# KiCad board AmigaPCI Mainboard.kicad_pcb (continued)
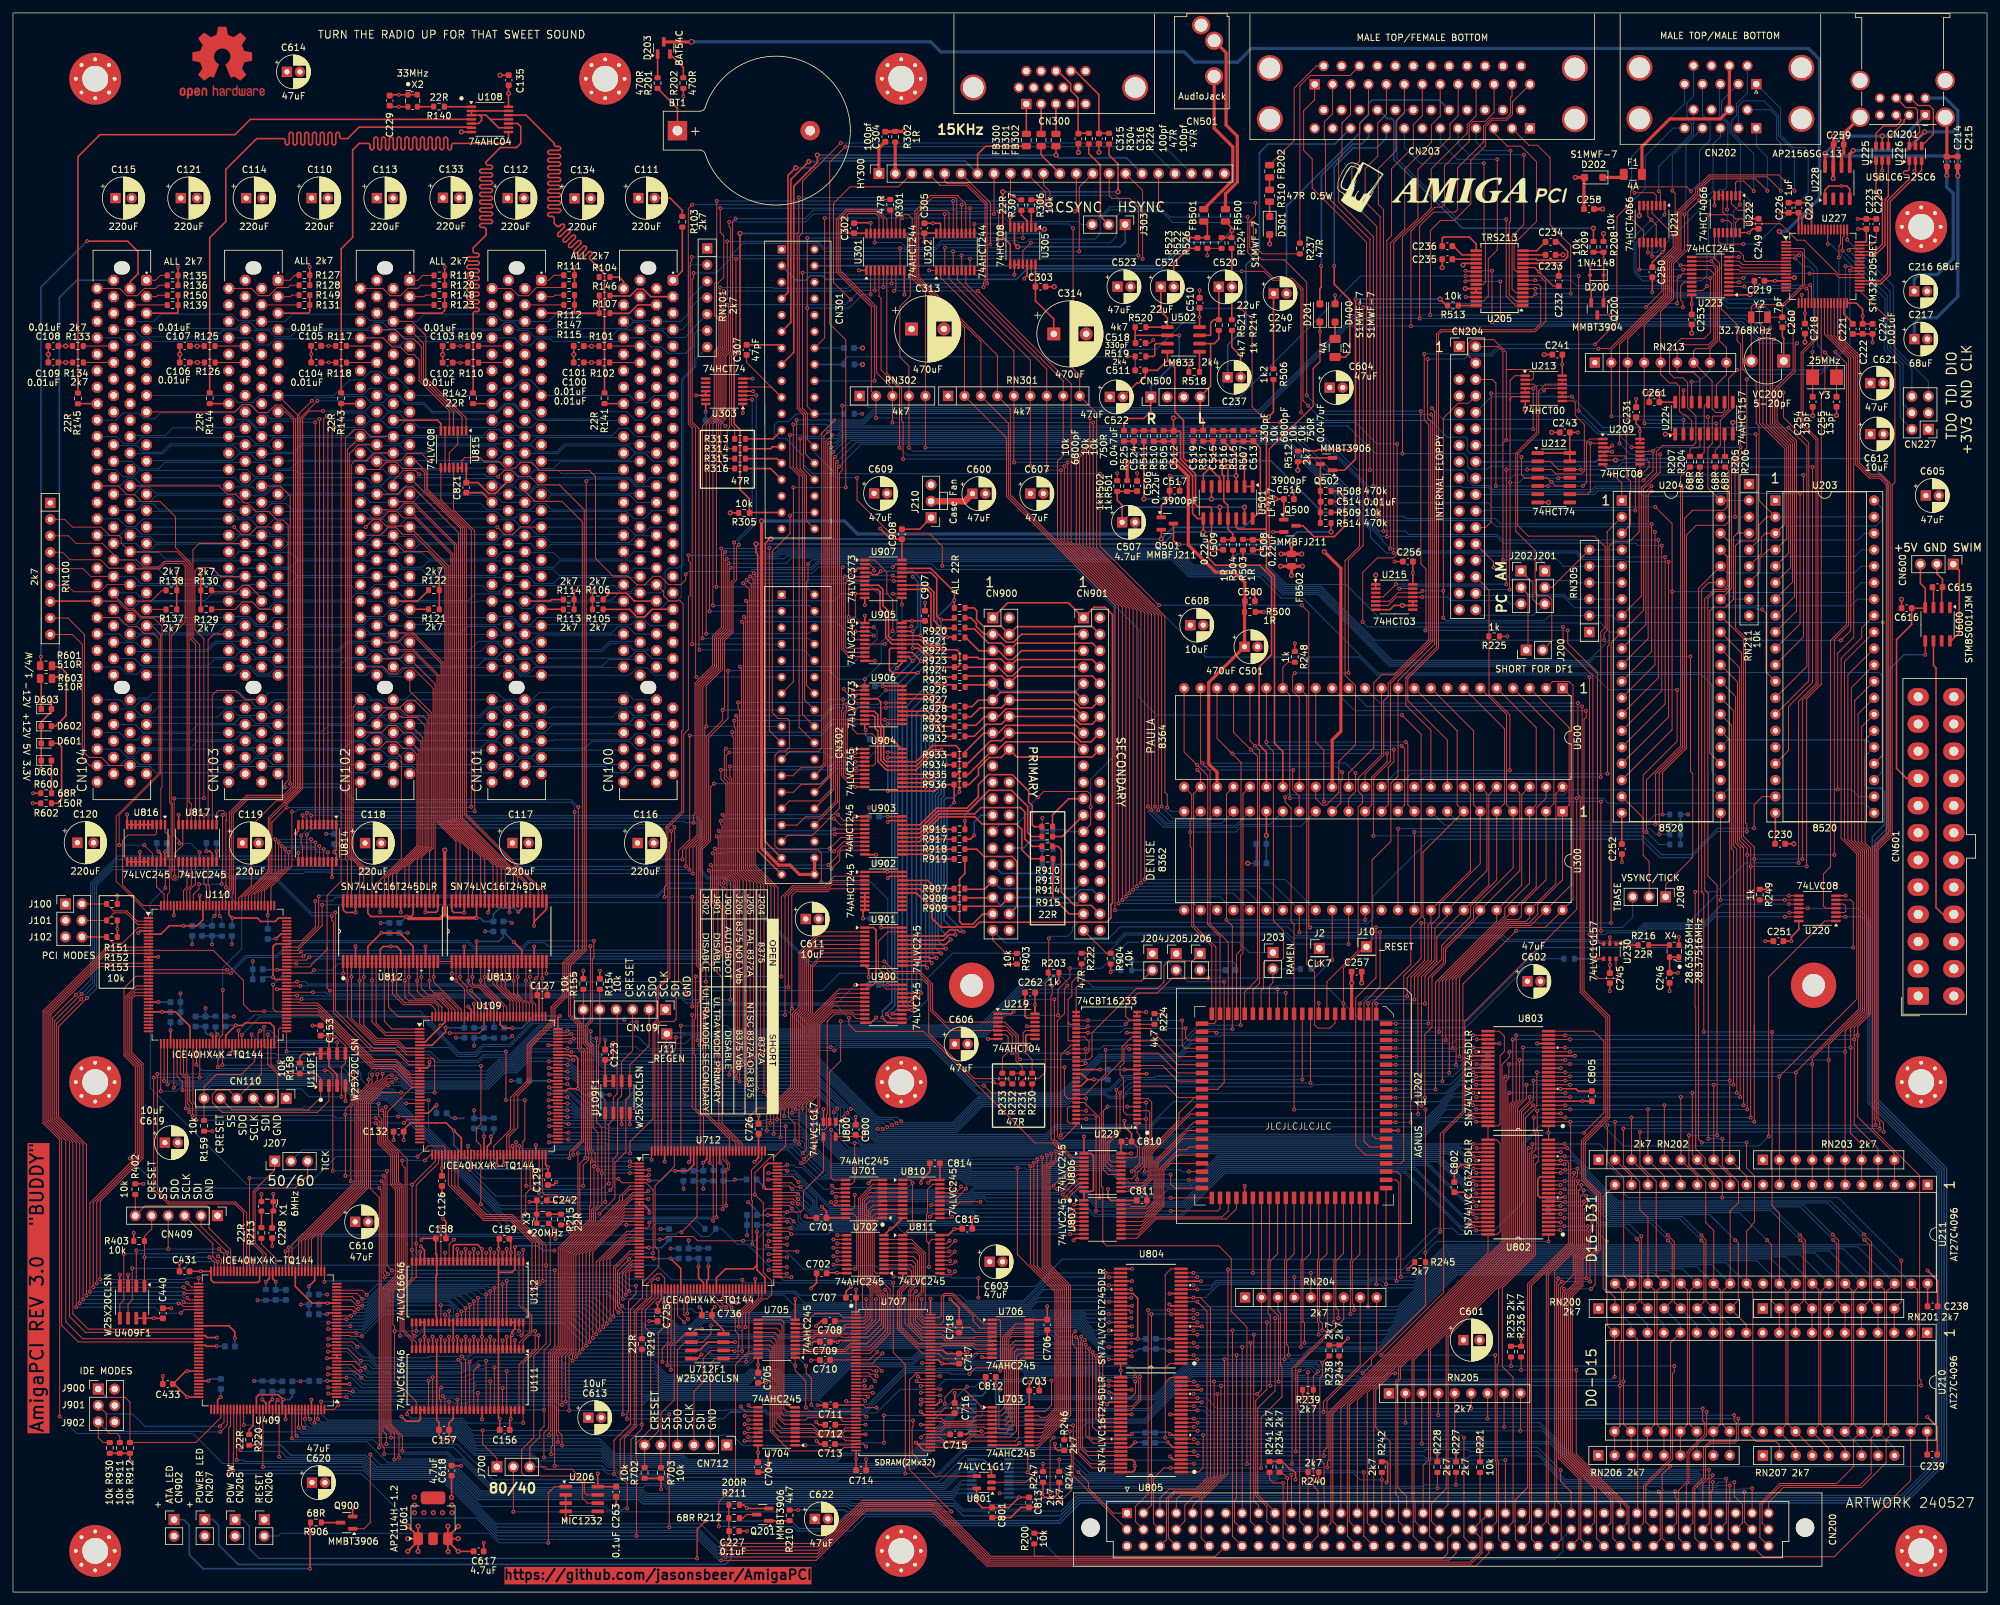
[diagram p0: board, top side]
## Routing (per net, layer and track width the routed paths; a pad name or vN(x,y) marks a point on that pad's centre or on a via; arc(x,y) is an arc through that point) (continued)
/Agnus Multiadapter/CCKQ_7MHz: length 11.6
  Top w0.15: U229.21 176.12,85.12 179.81,81.43 U202.38
/Agnus Multiadapter/CDAC_XCLKEN: length 23.5
  Top w0.15: v1(180.53,88.27) 180.53,84.38 180.94,83.97 U202.36 ; U229.31 165.97,88.29 v1(165.98,88.28)
  Bottom w0.15: v1(165.98,88.28) 180.52,88.28 v1(180.53,88.27)
/Agnus Multiadapter/DRA8: length 14.5
  Top w0.15: U229.19 172.33,83.85 v1(172.32,83.85) ; U229.49 165.58,76.86 168.71,80 v1(168.71,83.75)
  Bottom w0.15: v1(172.32,83.85) 169.81,83.85 169.71,83.75 v1(168.71,83.75)
/Agnus Multiadapter/DRA9: length 14.7
  Top w0.15: U229.3 171.97,73.69 171.45,74.2 171.45,79.39 170.94,79.91 170.94,81.08 171.55,81.69 171.55,83.86 172.16,84.48 U229.20
/Agnus Multiadapter/DRA9_CASU: length 38.7
  Top w0.15: U202.55 186.37,59.18 186.04,58.85 v1(178.76,58.85) ; U229.54 166.9,73.69 167.23,73.36 v1(167.23,58.85)
  Bottom w0.15: v1(167.23,58.85) v1(178.76,58.85)
/Agnus Multiadapter/LDS_DRA8: length 22.8
  Top w0.15: U202.51 v1(181.57,64.92) ; v1(174.74,64.92) 174.74,65.46 174.97,65.69 174.97,68.22 175.82,69.07 175.82,75.66 175.26,76.23 U229.7
  Bottom w0.15: v1(174.74,64.92) 175.3,64.92 175.58,65.2 180.19,65.2 180.47,64.92 v1(181.57,64.92)
/Agnus Multiadapter/UDS_LDS: length 23.3
  Top w0.15: U202.52 v1(181.55,63.65) ; U229.4 175.28,74.32 175.52,74.08 175.52,69.2 174.67,68.34 174.67,65.83 173.58,64.74 v1(173.58,63.7)
  Bottom w0.15: v1(181.55,63.65) 173.63,63.65 v1(173.58,63.7)
/Agnus Multiadapter/VBB_CCK: length 11
  Top w0.15: U202.40 179.91,78.89 177.49,81.31 U229.15
/Audio/AUDLEFT: length 65.2
  Top w0.25: C513.2 192.71,179.31 193.54,178.48 193.54,164.11 ; 193.54,164.11 193.5,164.14 189.17,164.14 188.87,164.44 U501.12 ; 193.54,164.11 193.54,158.15 194.78,156.91 194.78,131.07 196.07,129.78 U500.31 ; 189.98,179.35 191.46,179.35
/Audio/AUDRIGHT: length 92.8
  Top w0.25: 179.18,179.34 179.18,181.3 v2(179.17,181.31) ; U500.30 193.53,129.69 192.4,130.82 192.4,142.82 194.33,144.75 194.33,156.72 192.5,158.55 185.68,158.55 184.57,159.66 184.57,162.15 185.06,162.64 U501.9 185.06,167.32 184.82,167.56 183,167.56 182.59,167.97 182.59,172.62 180.28,174.93 180.28,179.11 180.09,179.3 C512.2 ; v2(193.86,181.46) 194.62,182.22 R506.2 ; R505.2 179.17,179.35
  Bottom w0.25: v2(193.86,181.46) 193.71,181.31 v2(179.17,181.31)
/Chip Memory/LDB0: length 28.8
  Top w0.15: 130.14,27.87 U704.9 119.46,27.87 119.03,28.29 119.03,41.69 118.68,42.05 U705.11
/Chip Memory/LDB1: length 29.1
  Top w0.15: U705.12 118.53,41.39 118.73,41.19 118.73,27.52 119.03,27.21 U704.8 127.68,27.21 128.04,26.85 U707.33
/Chip Memory/LDB2: length 29.1
  Top w0.15: U707.34 128.12,26.35 127.55,26.91 122.75,26.91 122.41,26.56 U704.7 118.94,26.56 118.43,27.08 118.43,40.26 117.94,40.75 U705.13
/Chip Memory/LDB3: length 29
  Top w0.15: U707.36 128.53,25.35 128.04,24.86 124.4,24.86 123.34,25.91 U704.6 119.15,25.91 118.13,26.93 118.13,39.55 117.59,40.09 U705.14
/Chip Memory/LDB4: length 28.8
  Top w0.15: U705.15 117.24,39.44 117.83,38.85 117.83,26.17 118.74,25.26 U704.5 123.57,25.26 124.28,24.56 128.16,24.56 128.45,24.85 U707.37
/Chip Memory/LDB5: length 28.7
  Top w0.15: U707.39 128.48,23.85 128.07,24.26 124.15,24.26 123.8,24.62 118.53,24.62 117.53,25.61 117.53,38.24 116.97,38.8 U705.16
/Chip Memory/LDB6: length 28.8
  Top w0.15: 120.78,23.96 127.95,23.96 128.56,23.35 U707.40 ; U705.17 116.88,38.14 117.23,37.79 117.23,24.94 118.21,23.96 U704.3
/Chip Memory/LDB7: length 31.9
  Top w0.15: U707.42 128.32,22.35 127.76,21.79 119.96,21.79 118.07,23.68 ; 118.07,23.68 118.43,23.31 U704.2 ; 118.07,23.68 116.91,24.84 116.91,37.17 116.59,37.5 U705.18
/Chip Memory/LDB8: length 27.3
  Top w0.15: U707.56 143.23,27.85 143.8,28.42 147.82,28.42 148.38,27.87 U703.2 152.42,27.87 153.08,28.52 153.08,39.23 154.6,40.75 U706.18
/Chip Memory/LDB9: length 27.7
  Top w0.15: U706.17 154.37,40.09 153.38,39.1 153.38,27.98 152.62,27.21 U703.3 148.76,27.21 147.91,26.36 143.84,26.36 143.35,26.85 U707.54
/Chip Memory/LDB10: length 27.9
  Top w0.15: U706.16 154.19,39.44 153.68,38.94 153.68,27.05 153.19,26.56 U703.4 148.54,26.56 148.03,26.06 143.72,26.06 143.43,26.35 U707.53
/Chip Memory/LDB11: length 27.6
  Top w0.15: U707.51 143.4,25.35 143.81,25.76 148.16,25.76 148.31,25.91 U703.5 153.38,25.91 153.98,26.51 153.98,38.06 154.71,38.8 U706.15
/Chip Memory/LDB12: length 27.8
  Top w0.15: U706.14 154.71,38.14 154.28,37.71 154.28,25.94 153.6,25.26 U703.6 150.1,25.26 149.9,25.46 143.93,25.46 143.32,24.85 U707.50
/Chip Memory/LDB13: length 27.9
  Top w0.15: U707.48 143.18,23.85 143.69,23.34 146.96,23.34 147.88,24.26 149.78,24.26 150.13,24.62 153.38,24.62 154.65,25.89 154.65,37.05 154.64,37.06 155.07,37.5 U706.13
/Chip Memory/LDB14: length 27.9
  Top w0.15: 156.91,36.84 155.38,36.84 154.95,36.42 154.95,24.87 154.05,23.96 U703.8 148.01,23.96 147.08,23.04 143.57,23.04 143.26,23.35 U707.47
/Chip Memory/LDB15: length 27.9
  Top w0.15: U707.45 146.92,22.35 147.89,23.32 147.89,23.31 U703.9 154.77,23.31 155.25,23.79 155.25,35.56 155.88,36.19 U706.11
/Clocks and PCI Buffers/CLK28: length 3.5
  Top w0.25: R216.1 249.57,99.9 249.36,100.11 U230.1
/Clocks and PCI Buffers/CLK33: length 4.2
  Top w0.25: U108.1 66.58,229.36
/CPU/U712_CRESET: length 40.8
  Top w0.15: v1(100.5,44.7) 100.5,40.93 99.64,40.06 99.64,24.82 CN712.6 ; R702.2 97.53,22.49 ; v1(112.97,45.32) 113.12,45.47 U712.66
  Bottom w0.15: v1(100.5,44.7) 109.78,44.7 110.41,45.32 v1(112.97,45.32)
/CPU/U712_SCK: length 31.4
  Top w0.15: v1(111.42,37.2) 111.31,37.31 U712F1.6 107.79,37.31 106.57,36.1 106.57,32.43 105.13,30.99 105.13,22.5 ; U712.70 115.12,45.42 112.58,42.88 v1(112.58,37.2)
  Bottom w0.15: v1(111.42,37.2) v1(112.58,37.2)
/CPU/U712_SDI: length 29
  Top w0.15: 107.68,22.5 107.68,35.27 108.45,36.05 U712F1.5 111.57,36.05 111.94,36.41 111.94,37.89 112.06,38 112.06,39.78 111.53,40.31 111.53,42.68 113.62,44.77 U712.67
/CPU/U712_SDO: length 33.4
  Top w0.15: v1(107.77,41.14) 107.77,39.83 106.53,38.58 U712F1.2 103.78,38.58 102.59,37.4 102.59,22.5 ; U712.68 114.12,44.84 112.06,42.78 v1(112.06,40.97)
  Bottom w0.15: v1(107.77,41.14) 109.61,41.14 109.78,40.97 v1(112.06,40.97)
/CPU/U712_SS: length 39
  Top w0.15: U712.71 115.62,45.49 113.1,42.98 v1(113.1,40.92) ; v1(106.41,40.6) 105.5,40.6 U712F1.1 103.78,39.85 102.1,38.18 102.1,29.68 100.06,27.63 100.06,22.5 ; R703.2 100.05,22.5
  Bottom w0.15: v1(106.41,40.6) 106.63,40.38 112.56,40.38 v1(113.1,40.92)
/Floppy and Parallel/_CHNG: length 14.3
  Top w0.15: J201.2 237.6,155.13 243.4,160.94
  Bottom w0.15: 243.4,160.94 248.4,160.94
/Floppy and Parallel/_DCHNG: length 44.5
  Top w0.15: CN204.2 229.28,192.32 230.05,191.55 v1(230.05,159.38)
  Bottom w0.15: J201.1 236.52,158.67 235.82,159.38 v1(230.05,159.38)
/Floppy and Parallel/_DF1: length 47.7
  Top w0.15: J200.2 237.6,146.86 237.6,153.27 237,153.88 235.48,153.88 235.02,154.32 235.02,160.82 232.02,163.82 232.02,175.85 235.27,179.1 235.27,186.09 234.84,186.52 233.49,186.52
/Floppy and Parallel/_DKWDB: length 32.2
  Top w0.15: U209.8 251.21,172.84 250.5,172.12 v1(250.5,167.01)
  Bottom w0.15: v1(250.5,167.01) 250.47,167.04 227.31,167.04 227.18,166.92 CN204.22
/Floppy and Parallel/_DKWEB: length 33.9
  Top w0.15: v1(228.22,185.1) 228.22,165.22 227.38,164.38 CN204.24 ; U213.11 236.73,185.88 v1(236.4,185.55)
  Bottom w0.15: v1(236.4,185.55) 235.95,185.1 228.23,185.1 v1(228.22,185.1)
/Floppy and Parallel/_DRDY: length 19
  Top w0.15: J202.1 234.68,155.85 234.68,153.3 235.38,152.59 236.52,152.59
  Bottom w0.15: CN204.34 226.7,150.83 234.76,150.83 236.52,152.59
/Floppy and Parallel/_INUSE0: length 44
  Top w0.15: U209.1 243.46,178.05 242.95,177.54 242.95,171.35 v1(242.4,170.8) ; v1(228.98,170.8) 228.98,186.67 228.41,187.24 CN204.6 ; v1(237.02,170.8) 237.02,170.79 U212.5
  Bottom w0.15: v1(242.4,170.8) v1(237.02,170.8) v1(228.98,170.8)
/Floppy and Parallel/_INUSE1: length 61.5
  Top w0.15: 230.57,188.77 230.57,177.88 v1(230.57,177.88) ; 230.57,188.77 230.57,191.45 228.63,193.39 225.35,193.39 224.77,192.82 224.77,190.85 CN204.4 ; 230.57,188.77 234.27,188.77 234.75,188.3 234.75,187.4 234.52,187.17 U213.2 ; 240.38,169.52 243.15,169.52 243.55,169.92 v1(243.55,177.4) U209.2
  Bottom w0.15: v1(243.55,177.4) 243.25,177.4 242.77,177.88 v1(230.57,177.88) 229.78,177.08 CN204.14
/Floppy and Parallel/_IORST: length 53.9
  Top w0.15: v1(157.17,208.35) 155.93,207.11 U305.11 ; v1(191.52,211.49) 191.52,208 192.88,206.64 R237.1
  Bottom w0.15: v1(191.52,211.49) 179.05,211.49 177.41,213.12 171.05,213.12 170.32,212.4 170.32,209.25 169.42,208.35 v1(157.17,208.35)
/Floppy and Parallel/_MOTOR: length 23.7
  Top w0.25: v1(246.93,177.05) 246.63,176.75 U209.3
  Bottom w0.25: CN204.16 244.42,174.54 v1(246.93,177.05)
/Floppy and Parallel/_PCRDY: length 23.4
  Top w0.15: U215.6 212.32,152.35 213.62,153.65 U215.11 v1(217.6,153.65)
  Bottom w0.15: v1(217.6,153.65) 221.44,153.65 221.99,153.09 230.62,153.09 231.12,152.59 232.85,152.59
/Floppy and Parallel/_RDY: length 26.2
  Top w0.15: J202.2 233.93,154.06 233.93,145.72
  Bottom w0.15: J202.2 233.98,154.01 239.54,154.01 240.23,153.31 RN305.3 248.4,153.31
/Floppy and Parallel/_TRK0: length 25.5
  Top w0.15: v1(228.6,158.22) 228.6,159.09 CN204.26
  Bottom w0.15: RN305.4 241.44,155.85 241.09,156.21 231.38,156.21 229.36,158.22 v1(228.6,158.22) ; U204.6 243.4,155.86
/Floppy and Parallel/_WPROT: length 23.5
  Bottom w0.15: 248.4,158.39 RN305.5 239.45,158.39 237.85,160 226.55,160 CN204.28
/Floppy and Parallel/INIT: length 34.8
  Top w0.15: CN203.16 206.43,234.18 200.3,234.18 198.7,232.59 198.7,209.84 198.7,209.84 R237.2
/Floppy and Parallel/LINEFEED: length 19.4
  Top w0.15: CN203.14 201.24,235.66 197.82,232.23 197.82,224.13 FB202.2
/Floppy and Parallel/SEL0: length 64.5
  Top w0.15: U215.4 211.56,153.65 v1(213.55,155.64) ; 239.21,183.92 240.98,183.92 241.23,183.67 241.23,181.67 242.62,180.27 242.62,173.11 242.19,172.67 238.2,172.67 237.54,173.33 U212.3 v1(233.8,173.33) ; v1(230.55,155.6) 230.57,155.62 v1(230.57,173.32)
  Bottom w0.15: v1(230.55,155.6) 230.5,155.64 v1(213.55,155.64) ; v1(230.57,173.32) 230.69,173.33 v1(233.8,173.33)
/Floppy and Parallel/SEL1: length 66.7
  Top w0.15: v1(238.6,171.97) 238.69,172.06 U212.11 ; U213.6 231.52,184.57 231.15,184.2 231.15,184.02 ; v1(214.05,154.95) U215.13 ; 231.15,184.02 231.15,187.07 231.9,187.82 U213.1 ; 231.15,184.02 231.15,160.32 231.07,160.25 v1(231.07,154.8)
  Bottom w0.15: v1(231.15,171.32) 232.55,171.32 233.2,171.97 v1(238.6,171.97) ; v1(231.07,154.8) 227.25,154.8 226.7,155.34 214.44,155.34 v1(214.05,154.95)
/Floppy and Parallel/TICK: length 367.2
  Top w0.15: v1(95.27,67.75) 95.27,69.54 98.82,73.09 98.82,87.74 99.34,88.26 99.34,93.23 101.13,95.03 101.13,118.03 103.56,120.46 103.56,132.47 104.29,133.2 104.29,153.62 104.57,153.91 104.57,159 104.29,159.29 v1(104.29,160.08) ; J208.1 255.17,109.26 259.36,113.45 259.36,126.37 259.01,126.72 v1(259.01,144.47) ; v1(87.22,67.76) 87.22,56.93 v1(85.94,55.64)
  Bottom w0.15: v1(259.01,144.47) 244.35,144.47 243.45,143.57 212.82,143.57 201.71,154.68 196.25,154.68 193.25,157.67 181.9,157.67 179.28,160.3 118.51,160.3 118.07,159.85 115.19,159.85 114.97,160.08 v1(104.29,160.08) ; v1(95.27,67.75) 95.26,67.76 v1(87.22,67.76) ; v1(85.94,55.64) 84.43,55.64 83.87,56.21 77.03,56.21 64.96,68.28 44.7,68.28 J207.2
/HID and User Ports/_Back: length 9
  Top w0.15: U227.9 266.88,204.47 266.49,204.85 U223.8
/HID and User Ports/_Back0: length 38.7
  Top w0.15: U222.4 v1(264.67,213.5) ; RN213.8 262.02,191.97 263.2,193.15 263.2,204.52 v1(262.22,205.5) U223.12 ; v1(259.18,186.9) 259.19,185.46 U224.14
  Bottom w0.15: RN213.8 262.02,188.6 260.32,186.9 v1(259.18,186.9) ; v1(264.67,213.5) 264.67,207.96 v1(262.22,205.5)
/HID and User Ports/_Fire: length 15.6
  Top w0.15: v1(266.52,202.26) 266.51,202.25 U223.4 ; v1(277.5,201.8) 277.7,201.6 U227.21
  Bottom w0.15: v1(277.5,201.8) 277.48,201.82 276.3,201.82 276.26,201.78 269.37,201.78 268.89,202.26 v1(266.52,202.26)
/HID and User Ports/_Forward: length 9.1
  Top w0.15: U223.9 266.5,205.5 267.04,204.97 U227.8
/HID and User Ports/_Forward0: length 31.3
  Top w0.15: U222.8 262.72,205.97 262.83,205.86 ; U223.11 262.54,206.15 262.83,205.86 ; 262.83,205.86 263.5,205.19 263.5,193.2 264.53,192.17 264.56,192.17 RN213.9 264.56,187.96 263,186.4 U224.11
/HID and User Ports/_HIDEN: length 76
  Top w0.15: 264.37,212.68 265.35,212.68 265.97,212.05 266.52,212.05 ; 264.37,212.68 264.02,213.03 264.02,215.7 263.37,215.7 ; 264.37,212.68 v1(261.78,212.68) ; U222.13 265.97,211.5 266.52,212.05 ; U223.19 260.86,200.95 v1(261.55,201.65) ; U227.38 281.87,203.47 276.6,208.75 275.45,208.75 272.9,211.3 267.72,211.3 266.97,212.05 266.52,212.05 ; 254.37,208.45 253.72,208.45 253.72,211.15 v1(252.96,211.91) 252.42,212.45 252.42,214.17 251.77,214.17
  Bottom w0.15: v1(252.96,211.91) 250.3,209.26 250.3,203.78 251.62,202.46 260.71,202.46 261.55,203.3 ; 261.55,203.3 v1(261.55,201.65) ; 261.55,203.3 261.55,207.85 261.78,208.08 v1(261.78,212.68)
/HID and User Ports/_Left: length 8.9
  Top w0.15: U223.7 266.48,204.2 266.71,203.97 U227.10
/HID and User Ports/_Left0: length 42.1
  Top w0.15: v1(257.48,204.85) 257.28,204.85 U223.13 262.44,204.85 262.9,204.4 262.9,193.27 261.64,192.01 259.86,192.01 259.84,192.02 259.48,191.66 RN213.7 262.35,186.98 262.35,182.7 262.9,182.15 264,182.15 264.27,182.42 U224.10 ; v1(253.07,206.28) U221.11
  Bottom w0.15: v1(253.07,206.28) 256.05,206.28 v1(257.48,204.85)
/HID and User Ports/_Right: length 8.9
  Top w0.15: U227.11 268.96,203.47 268.88,203.56 U223.6
/HID and User Ports/_Right0: length 43.5
  Top w0.15: v1(251.13,204.22) 251.12,204.22 U221.8 ; v1(257.89,204.2) 257.72,204.2 U223.14 262,204.2 262.6,203.6 262.6,193.39 261.81,192.6 257.88,192.6 256.94,191.66 RN213.6 256.94,188.58 257.15,188.37 259.45,188.37 260.46,187.36 U224.13
  Bottom w0.15: v1(257.89,204.2) v1(251.13,204.22)
/HID and User Ports/B0: length 26.6
  Top w0.15: v1(268.2,213.94) 267.61,213.36 266.37,213.36 265.32,214.41 U222.3
  Bottom w0.15: CN202.2 263.8,230.26 263.8,227.99 265.08,226.72 265.08,225.37 266.7,223.75 266.7,216.38 268.2,214.88 v1(268.2,213.94)
/HID and User Ports/B1: length 98.9
  Top w0.15: v1(261.7,181.45) 261.73,181.42 U224.5 ; v1(275.08,216.38) 272.63,218.83 261.91,218.83 259.82,216.74 259.82,216.05 256.94,213.17 256.94,207.38 255.19,205.63 255.19,200.22 246.78,191.81 RN213.2 246.78,181.59 v1(246.8,181.57)
  Bottom w0.15: CN202.11 266.4,229.45 267.23,230.28 270.33,230.28 272.62,227.99 272.62,224.87 275.08,222.41 v1(275.08,216.38) ; v1(261.7,181.45) 261.57,181.57 v1(246.8,181.57)
/HID and User Ports/DIO: length 28.4
  Top w0.15: U227.46 283.68,207.47 v1(283.43,207.22)
  Bottom w0.15: v1(283.43,207.22) 289.83,200.81 289.83,192.21 293.2,188.84 CN227.6
/HID and User Ports/F1: length 73.2
  Top w0.15: U224.2 257.92,180.99 v1(257.93,181) ; v1(249.32,181) 249.32,181 RN213.3 249.32,193.5 255.79,199.97 255.79,205.38 257.54,207.13 257.54,212.92 260.42,215.8 260.42,216.49 262.16,218.23 269.04,218.23 v1(270.89,216.38)
  Bottom w0.15: v1(270.89,216.38) 270.88,216.4 270.88,221.58 269.17,223.28 CN202.10 ; v1(257.93,181) v1(249.32,181)
/HID and User Ports/FIR0: length 27.3
  Top w0.15: U222.2 265.97,217.61 266.24,217.88 267.23,217.88 v1(268.78,216.33)
  Bottom w0.15: CN202.6 267.79,231.47 266.1,229.79 266.1,227.96 265.38,227.24 265.38,225.53 268.78,222.13 268.78,216.34 v1(268.78,216.33)
/HID and User Ports/FOR0: length 39.8
  Top w0.15: U222.9 263.37,208.48 263.7,208.15 v1(267.18,208.15)
  Bottom w0.15: v1(267.18,208.15) 269.29,208.15 277.19,216.05 277.19,222.48 276.58,223.09 274.83,223.09 272.92,224.99 272.92,229.11 CN202.1
/HID and User Ports/HSCLKIN: length 26.7
  Top w0.15: v1(279.76,191.42) 281.56,189.62 Y3.1 C255.1 ; v1(275.77,206.44) 275.75,206.47 U227.5
  Bottom w0.15: v1(275.77,206.44) 276.5,206.44 278.6,204.35 278.6,192.58 v1(279.76,191.42)
/HID and User Ports/HSCLKOUT: length 24.6
  Top w0.15: U227.6 275.15,205.97 v1(275.18,205.94) ; C254.1 277.88,187.57 ; Y3.2 v1(277.86,191.49)
  Bottom w0.15: v1(277.86,191.49) 277.86,192.23 278.02,192.4 278.02,204.02 277.35,204.7 276.42,204.7 v1(275.18,205.94)
/HID and User Ports/L0: length 34.3
  Top w0.15: U221.10 252.42,206.86 v1(252.43,206.86)
  Bottom w0.15: 263.5,232.73 263.5,227.87 264.78,226.59 264.78,223.16 264.6,222.99 264.6,216.87 264.26,216.54 263.5,216.54 253.82,206.86 v1(252.43,206.86)
/HID and User Ports/L1: length 54.3
  Top w0.15: U224.3 259.19,180.85 258.25,181.79 257.88,181.79 257.3,182.37 257.3,186.18 256.79,186.69 256.79,186.69 255.78,186.69 254.4,188.07 RN213.5 254.4,197.73 256.39,199.72 256.39,205.13 258.6,207.34 258.6,213.16 v1(260.38,214.93)
  Bottom w0.15: CN202.12 263.63,224.72 262.46,223.55 262.5,223.5 262.5,216.38 261.06,214.93 v1(260.38,214.93)
/HID and User Ports/LSCLKIN: length 17
  Top w0.15: C260.1 273.2,198.35 276.6,201.75 276.6,207.25 276.38,207.47 U227.3 ; Y2.1 273.19,196.86
/HID and User Ports/LSCLKOUT: length 25.2
  Top w0.15: 268.39,190.11 Y2.2 268.39,198.44 268.75,198.8 273.23,198.8 276.3,201.87 276.3,206.8 276.13,206.97 U227.4
/HID and User Ports/MH0: length 8.9
  Top w0.15: R204.1 261.13,176.04 261.13,183.15 U224.12
/HID and User Ports/MH1: length 3.3
  Top w0.15: U224.7 264.27,175.46
/HID and User Ports/MV0: length 9.5
  Top w0.15: R205.1 262.84,176.32 263.62,177.1 263.62,180.92 265.54,182.84 U224.9
/HID and User Ports/MV1: length 4.7
  Top w0.15: R207.1 258.94,176.42 259.21,176.69 260.26,176.69 260.46,176.89 U224.4
/HID and User Ports/PotX: length 14.5
  Top w0.15: v1(276.9,201.3) 277.2,201 U227.20 ; v1(267.32,201.61) 267.31,201.6 U223.3
  Bottom w0.15: v1(267.32,201.61) 267.63,201.3 v1(276.9,201.3)
/HID and User Ports/PotY: length 20.8
  Top w0.15: U223.5 267.19,202.9 v1(267.19,202.91) ; U227.37 281.95,202.97 281.32,203.6 v1(277.4,203.6)
  Bottom w0.15: v1(277.4,203.6) 277.36,203.64 267.93,203.64 v1(267.19,202.91)
/HID and User Ports/PX0: length 25.4
  Top w0.15: v1(250.37,216.08) 253.31,216.08 253.72,215.67 U221.3
  Bottom w0.15: CN202.5 258.09,229.83 249.91,221.65 249.91,216.53 v1(250.37,216.08)
/HID and User Ports/PY0: length 24.5
  Top w0.15: U221.2 254.37,216.06 v1(254.1,216.33)
  Bottom w0.15: CN202.9 259.48,230.96 258.45,229.94 258.45,227.4 259.17,226.68 259.17,225.21 254.11,220.15 254.11,217.64 254.1,217.63 v1(254.1,216.33)
/HID and User Ports/R0: length 36.9
  Top w0.15: v1(259.11,216.33) 258.45,216.98 250.46,216.98 249.76,216.28 249.76,212.19 251.77,210.17 U221.9
  Bottom w0.15: CN202.4 260.86,228.06 262.03,226.9 262.03,224.21 260.4,222.58 260.4,217.64 259.11,216.34 v1(259.11,216.33)
/HID and User Ports/R1: length 62.1
  Top w0.15: v1(251.9,180.45) 251.86,180.49 RN213.4 251.86,195.62 256.09,199.84 256.09,205.25 258.07,207.24 v1(258.07,212.72) ; U224.6 v1(263,180.45)
  Bottom w0.15: CN202.13 258.31,223.5 258.31,212.95 v1(258.07,212.72) ; v1(263,180.45) v1(251.9,180.45)
/HID and User Ports/SWCLK: length 31
  Top w0.15: v1(283.2,208.81) U227.49
  Bottom w0.15: CN227.5 295.74,186.94 290.33,192.35 290.33,201.68 v1(283.2,208.81)
/HID and User Ports/TDI: length 32.8
  Top w0.15: U227.50 282.7,209.34 282.48,209.11 v1(282.48,207.15)
  Bottom w0.15: CN227.4 291.82,183.47 291.83,183.47 291.83,189.58 289.38,192.03 289.38,200.24 v1(282.48,207.15)
/HID and User Ports/TDO: length 36.6
  Top w0.15: v1(280.21,208.13) 280.2,208.14 U227.55
  Bottom w0.15: CN227.2 291.37,181.38 291.37,189.4 288.93,191.84 288.93,195.85 289.05,195.97 289.05,199.72 280.64,208.13 v1(280.21,208.13)
/HID and User Ports/USB1+: length 17.8
  Top w0.2: U227.45 287.48,206.97 288.64,208.13 288.64,215.2 287.66,216.18 287.66,217.83 arc(287.73,217.99) 287.88,218.06 arc(288.04,218.12) 288.11,218.28 288.11,218.48 arc(288.04,218.64) 287.88,218.71 arc(287.73,218.77) 287.66,218.93 U225.1
/HID and User Ports/USB1-: length 17.8
  Top w0.2: U227.44 287.55,206.47 289.04,207.96 289.04,215.03 289.56,215.55 U225.3
/HID and User Ports/USB1A+: length 7.9
  Top w0.2: CN201.3 291.54,227.3 291.54,227.18 290.74,226.37 288.77,226.37 287.66,225.26 U225.6
/HID and User Ports/USB1A-: length 6.1
  Top w0.2: U225.4 289.56,224.56 291.99,226.99 291.99,227.3 CN201.2
/HID and User Ports/USB2+: length 24.9
  Top w0.2: U227.36 288.3,202.47 289.44,203.61 289.44,214.87 292.8,218.22 292.8,218.57 arc(292.71,218.78) 292.5,218.87 292.18,218.87 arc(291.96,218.96) 291.88,219.17 arc(291.96,219.38) 292.18,219.47 292.5,219.47 arc(292.71,219.56) 292.8,219.77 U226.1
/HID and User Ports/USB2-: length 24.9
  Top w0.2: U226.3 294.7,219.56 289.84,214.7 289.84,203.44 288.37,201.97 U227.35
/HID and User Ports/USB2A+: length 10.8
  Top w0.2: CN201.7 292.24,229.22 293.69,229.22 294.05,228.86 294.05,226.61 294.39,226.27 294.39,225.42 293.79,224.82 293.08,224.82 292.8,224.54 U226.6
/HID and User Ports/USB2A-: length 10.7
  Top w0.2: U226.4 296.51,225.11 296.51,228.93 295.89,229.55 294.12,229.55 292.97,230.7
/IDE Interface/_ACTA: length 134.3
  Top w0.15: CN900.39 151.28,100.66 153.33,98.61 R903.1 ; v1(273.58,104.28) U220.13
  Bottom w0.15: CN900.39 153.2,100.25 170.16,100.25 171.67,101.77 196.72,101.77 197.49,101 229.77,101 230.29,100.48 244.33,100.48 244.62,100.19 250.06,100.19 252.28,102.4 260.9,102.4 262.78,104.28 v1(273.58,104.28)
/IDE Interface/_ACTB: length 120
  Top w0.15: CN901.39 168.81,98.64 R904.1 ; U220.12 v1(274.27,104.93)
  Bottom w0.15: CN901.39 166.4,101.05 169.3,101.05 170.94,102.7 196.85,102.7 198.21,101.34 228.78,101.34 230.24,101.34 230.8,100.78 244.82,100.78 245.07,100.52 249.97,100.52 252.15,102.7 260.78,102.7 263.01,104.93 v1(274.27,104.93)
/IDE Interface/_ACTIVITY: length 362
  Top w0.15: Q900.1 54.2,9.77 55.17,10.74 v1(55.17,21.23) ; v1(277.13,105.58) U220.11
  Bottom w0.15: v1(55.17,21.23) 56.75,19.65 66.98,19.65 71.97,14.66 96.74,14.66 97.41,14 129.21,14 129.52,13.69 145.33,13.69 146.52,12.5 161.86,12.5 164.28,14.93 291.59,14.93 297.39,20.72 297.39,64.96 286.7,75.64 286.7,103.74 284.87,105.58 v1(277.13,105.58)
/IDE Interface/_CS0P: length 15.9
  Top w0.25: 146.98,113.19 146.98,110.94 146.15,110.12 146.15,103.54 146.56,103.14 148.19,103.14 149.77,104.72 CN900.37
/IDE Interface/_CS0S: length 11.7
  Top w0.25: CN901.37 163.09,104.72 160.58,107.23 R915.2
/IDE Interface/_CS1P: length 17.4
  Top w0.25: R918.2 148.79,114.72 149.93,113.58 154.24,113.58 155.02,112.8 155.02,105.92 CN900.38
/IDE Interface/_CS1S: length 15.5
  Top w0.25: CN901.38 166.5,106.04 163.9,106.04 161.87,108.07 161.87,114.63 161.35,115.15 R914.2
/IDE Interface/_DIORP: length 7.1
  Top w0.25: v1(148.42,116.85) 147.82,116.25 146.98,116.25
  Bottom w0.25: CN900.25 149.46,119.96 148.42,118.92 v1(148.42,116.85)
/IDE Interface/_DIORS: length 6.1
  Top w0.25: CN901.25 161.99,116.67 R913.2
/IDE Interface/_DIOWP: length 7.6
  Top w0.25: 146.98,117.77 146.98,119.07 v1(146.98,119.08)
  Bottom w0.25: CN900.23 149.5,122.5 146.98,119.98 v1(146.98,119.08)
/IDE Interface/_DIOWS: length 7.6
  Top w0.25: CN901.23 163.01,122.5 160.51,120 R910.2
/IDE Interface/_RSTIDE: length 104.4
  Top w0.25: CN900.1 153.61,152.77 162.95,152.77 CN901.1 166.91,152.07 168.63,152.07 169.76,150.94 169.76,106.39 169.54,106.16 169.54,104.08 168.89,103.44 149.23,103.44 148.48,102.69 145.37,102.69 145.36,102.68 143.24,102.68 141.9,104.02 141.9,105.54 139.5,107.94 U902.15
/IDE Interface/DA0A: length 9
  Top w0.25: 145.4,107.18 142.84,107.18 140.78,109.24 U902.17
/IDE Interface/DA0B: length 19.2
  Top w0.25: 147.1,107.18 151.2,107.18
  Bottom w0.25: CN900.35 152.64,105.89 160.44,105.89 160.96,106.41 164.43,106.41 CN901.35
/IDE Interface/DA1A: length 8.6
  Top w0.25: U902.18 141.23,109.89 142.5,108.62 R907.1
/IDE Interface/DA1B: length 19.7
  Top w0.25: 147.1,108.52 150,108.52 CN900.33
  Bottom w0.25: CN901.33 164.11,108.62 152.45,108.62 CN900.33
/IDE Interface/DA2A: length 9.3
  Top w0.25: 145.39,105.86 142.75,105.86 140.02,108.59 U902.16
/IDE Interface/DA2B: length 22.2
  Top w0.25: 147.13,105.89 152.45,105.89 CN900.36
  Bottom w0.25: CN900.36 163.62,107.26 164.82,108.46 166.62,108.46 CN901.36
/IDE Interface/DD0A: length 20.4
  Top w0.25: 151.26,130.01 147.4,126.15 ; CN900.17 152.16,130.12 153.33,131.29 164.11,131.29 CN901.17
/IDE Interface/DD1A: length 20.9
  Top w0.25: R933.2 146.96,129.7 149.9,132.64 151.26,132.64 ; CN900.15 152.16,132.66 153.33,133.83 164.11,133.83 CN901.15
/IDE Interface/DD2A: length 19.7
  Top w0.25: CN901.13 164.09,136.39 153.35,136.39 152.16,135.2 CN900.13 ; 151.26,135.18 150.02,135.18 148.68,133.84 147.08,133.84
/IDE Interface/DD3A: length 19.7
  Top w0.25: CN901.11 164.11,138.91 152.45,138.91 CN900.11 ; 151.26,137.72 149.06,137.72 148.07,136.73 R928.2
/IDE Interface/DD4A: length 18.9
  Top w0.25: 147.12,140.08 151.08,140.08
  Bottom w0.25: CN901.9 164.11,139.1 152.45,139.1 CN900.9
/IDE Interface/DD5A: length 19.2
  Top w0.25: 151.26,142.8 147.18,142.8 ; CN900.7 152.16,142.82 153.52,141.45 154.36,141.45 155.72,142.82 CN901.7
/IDE Interface/DD6A: length 20.1
  Top w0.25: CN900.5 152.16,145.36 153.52,144 154.36,144 155.72,145.36 CN901.5 ; 147.12,147.38 149.17,145.34 151.26,145.34
/IDE Interface/DD7A: length 20.6